# Altium PCB PCB2.PcbDoc (part 4 of 5) (continued)
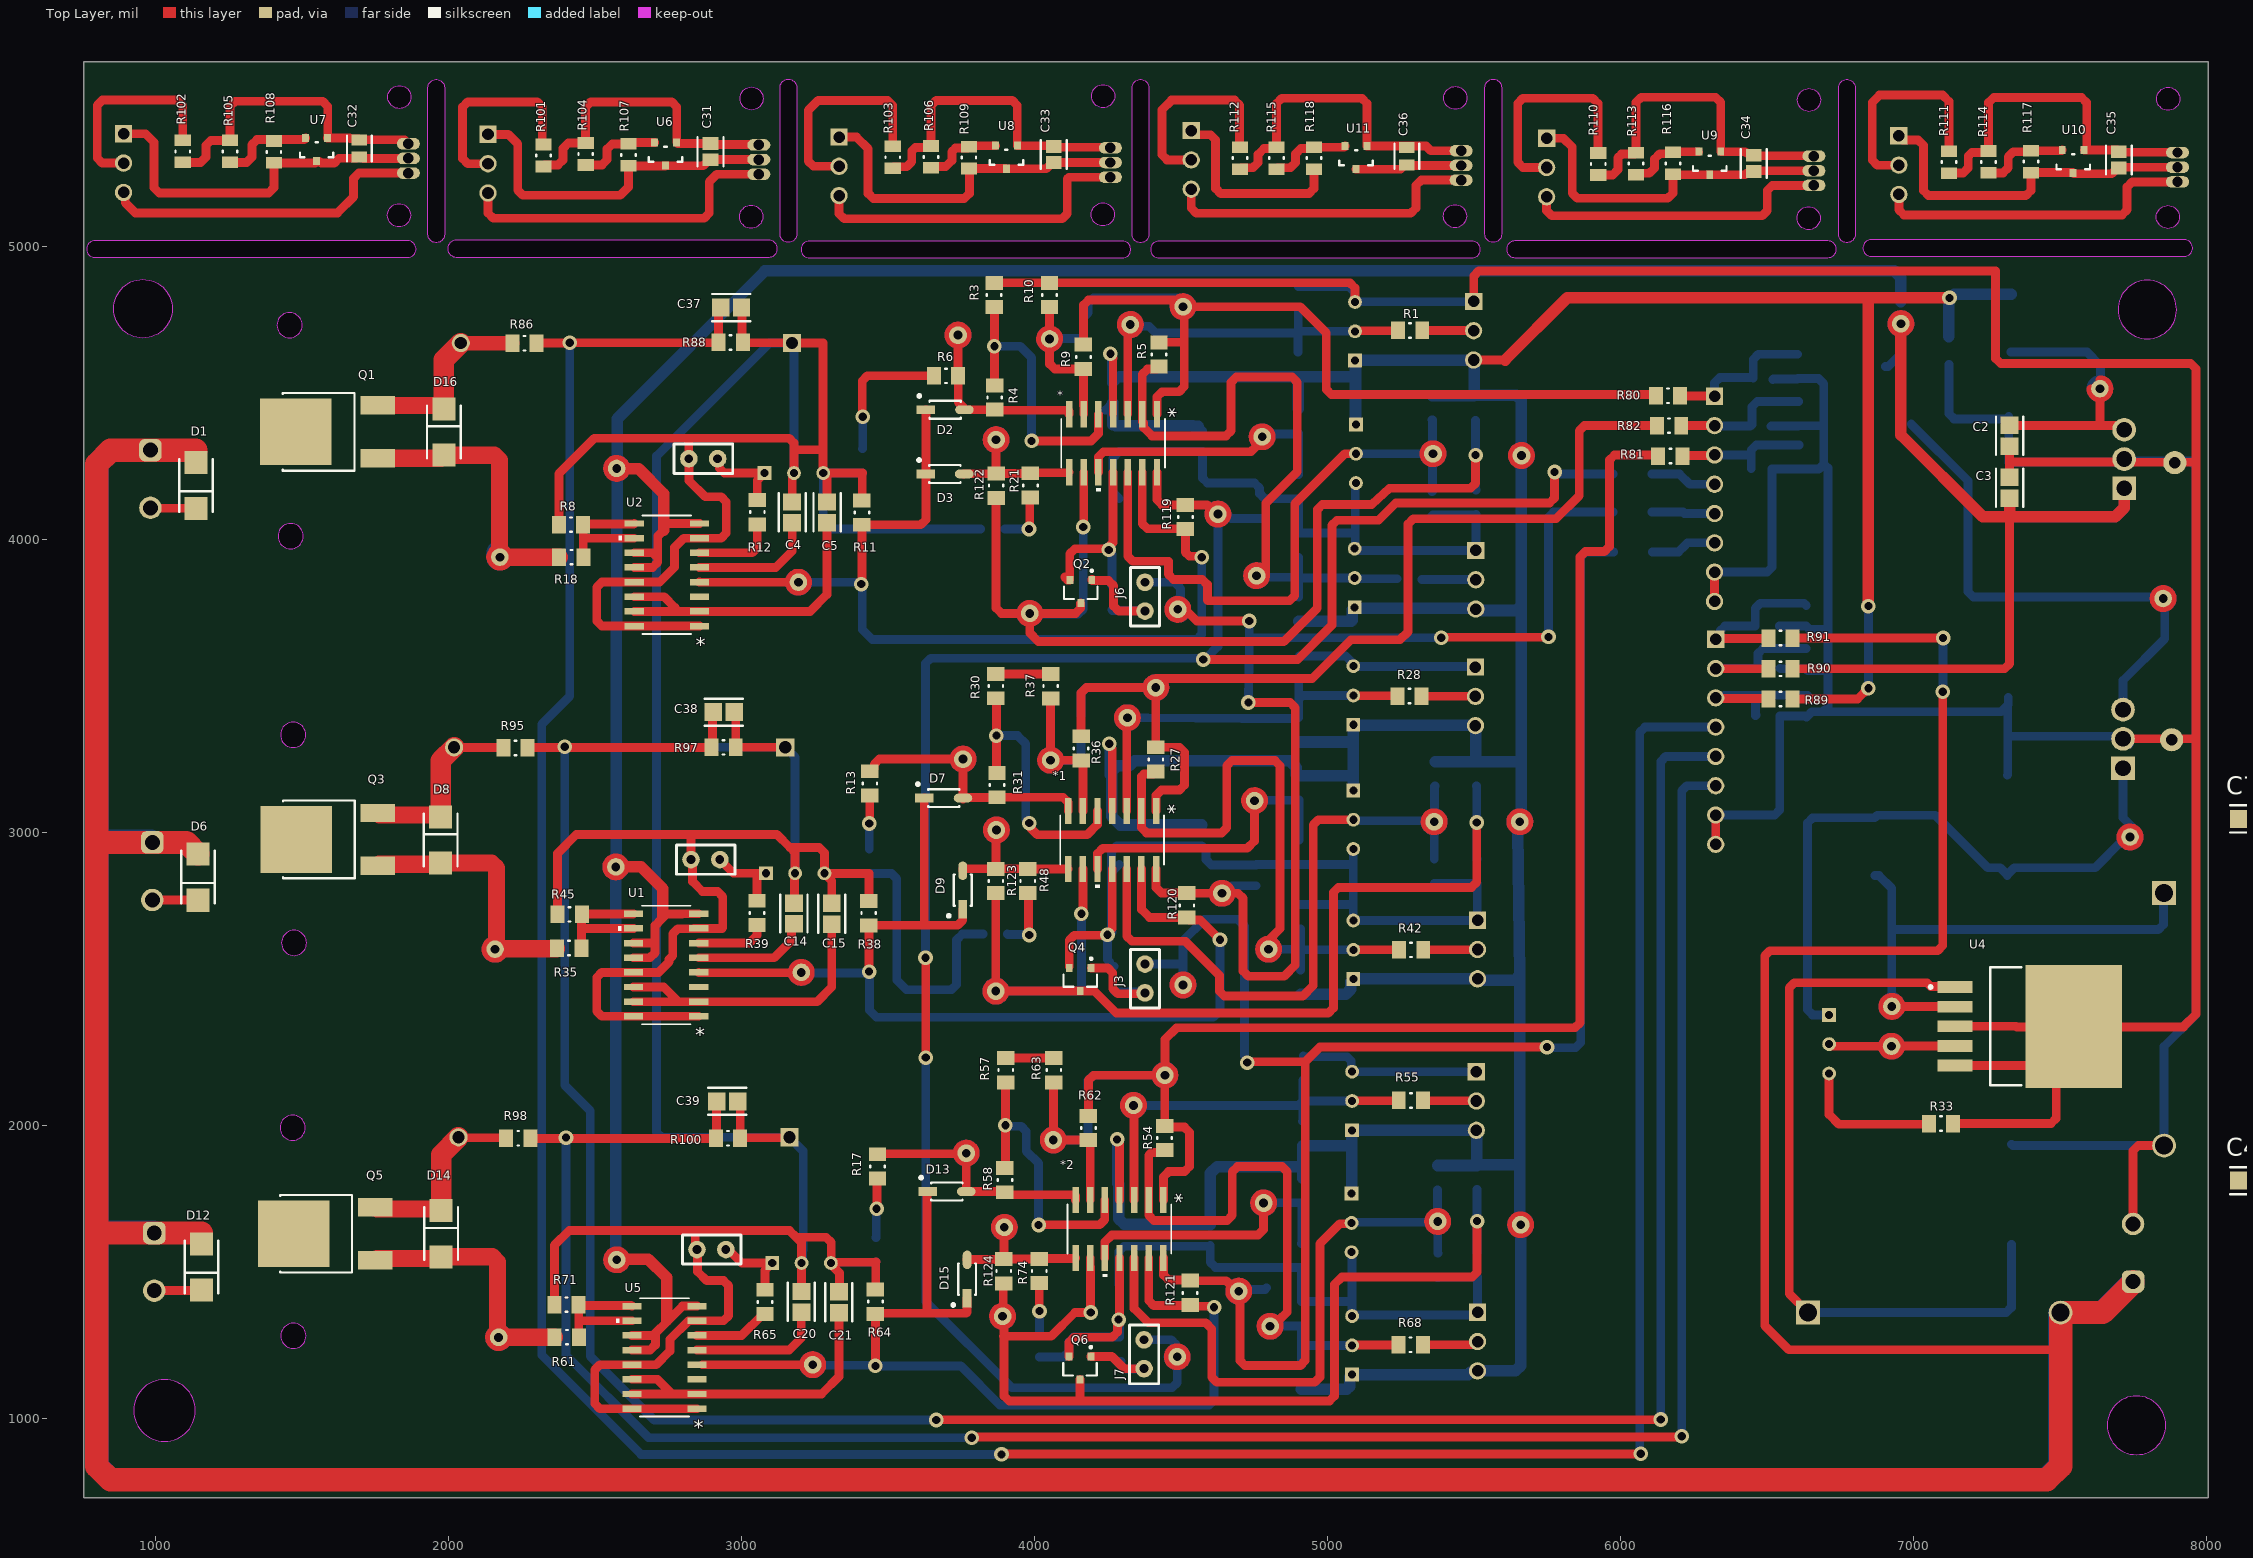
[diagram p0: Top Layer view]
## Nets (pads, with @x,y where several pads share a name; then routed paths per layer and width w, separated by ;. In a path a pad name is that pad's centre, name@x,y a point inside that pad or via, vN(x,y) a via of type N, cw(c..) or ccw(c..) an arc to the next point about the centre after c; other vN are vias at no path point) (continued)
Net*2_7: *2.7 D13.2 R17.2 R58.1 TP51.1 | length 797.7
  Top Layer w30: R17.2@3463,1900.37 3464.81,1902.19 3735.13,1902.19 3764.19,1902.19 TP51.1@3766,1904 ; 3766,1873.07 D13.2@3766,1773 3895.63,1773 R58.1@3898,1770.63 3906.75,1761.88 4134.98,1761.88 4139,1757.86 *2.7@4139,1744
Net*2_8: *2.8 D15.2 R74.2 R124.1 TP44.1 | length 482
  Top Layer w30: D15.2@3769,1539.97 3769,1541.17 3892.8,1541.17 R124.1@3894,1542.37 R124.1@3894.5,1542.87 ; v1(3896,1651) 3895,1650 3895,1620.09 3895,1543.37 R124.1@3894.5,1542.87 ; *2.8@4139,1546.06 4137.65,1544.72 4016.35,1544.72 R74.2@4015,1543.37 4014.5,1542.87 R124.1@3894.5,1542.87
Net*2_9: *2.9 Q6.3 R72.2 R75.2 R124.2 TP45.1 | length 3393.8
  Top Layer w30: TP45.1@3890,1347 TP45.1@3894.91,1342.09 ; 3892,1279 4056,1279 4137,1360 v2(4191,1360) ; 3892,1377.86 3892,1457.63 R124.2@3894,1459.63 ; 3894.91,1316.07 3894.91,1075.57 3912.48,1058 4155,1058 ; 3894.91,1316.09 3894.91,1316.47 TP45.1@3894.91,1342.09 ; 3911.87,1325.13 TP45.1@3894.91,1342.09 ; Q6.3@4154,1131.63 4154,1059 4155,1058 ; *2.9@4189,1546.06 4189,1517.38 4190,1516.38 v2@4190,1361 ; v2(5509.5,1672) 5509.5,1498.57 5491.93,1481 5048,1481 5023,1456 5023,1075.57 5005.43,1058 4155,1058
  Bottom Layer w30: v2@4187.17,1356.17 v2(4191,1360) ; R72.2@5509,1779.63 5509.5,1779.13 v2(5509.5,1672) 5509.5,1564.87 R75.2@5510,1564.37
Net*2_10: *2.10 R67.2 R76.2 TP43.1 | length 979.2
  Top Layer w30: *2.10@4239,1546.06 4239,1601 4262.31,1624.32 4761.43,1624.32 4781,1643.89 4781,1703.07 TP43.1@4781,1734
  Bottom Layer w30: TP43.1@4781,1734 4781.81,1734.81 4811.89,1734.81 R67.2@4913.19,1734.81 ; R76.2@4910,1595.37 4912,1597.37 4912,1733.63 R67.2@4913.19,1734.81 ; R67.2@4914,1735.63 R67.2@4913.19,1734.81
Net*2_12: *2.12 R77.1 R79.1 RP13.2 TP48.1 | length 2057.1
  Top Layer w30: *2.12@4339,1546.06 4339,1374 4388,1325 4583,1325 4604,1304 4604,1139.57 4621.57,1122 4955.43,1122 4973,1139.57 4973,1595 5040.7,1662.7 5077.9,1662.7 RP13.2@5081.2,1666
  Bottom Layer w30: RP13.2@5081.2,1666 5083.7,1668.5 5344.2,1668.5 ; R77.1@5374,1778.63 5374.5,1778.13 5374.5,1701.9 ; TP48.1@5375,1671 5375.5,1670.5 5375.5,1640.1 5375.5,1562.87 R79.1@5376,1562.37
Net*2_13: *2.13 D13.1 D15.1 R64.1 R121.2 TP39.1 U5.4 | length 3390.7
  Top Layer w30: U5.4@2865.25,1181.71 3211.08,1181.71 ; v2(3456,1178) R64.1@3456,1355.63 ; R64.1@3462,1357.63 3626,1357.63 ; D13.1@3632.03,1773 3632.03,1363.66 3626,1357.63 ; D15.1@3769,1408.03 3769,1361.2 3765.42,1357.63 3626,1357.63 ; *2.13@4389,1546.06 4389,1401.2 4406.57,1383.63 4530,1383.63 4531.8,1381.83 4608.17,1381.83 v2(4612,1378)
  Bottom Layer w30: 3272.64,1180 3272.84,1180 3272.9,1180 v2@3454,1180 ; v2(3456,1178) 3747,1178 3881,1044 4594.43,1044 4612,1061.57 v2(4612,1378)
  other v1: 3242,1182
Net*2_14: *2.14 *5.14 C23.2 C78.2 D21.1 D27.1 J3.1 J17.1 R121.1 R235.1 TP31.1 TP47.1 TP87.1 TP104.1 | length 5791.7
  Top Layer w30: *2.14@4439,1546.06 4439,1488.57 4456.57,1471 4530,1471 R121.1@4532.26,1468.74 ; R121.1@4530,1468.74 4652.88,1468.74 4670.45,1451.17 4670.45,1450.43 4687.88,1433 TP47.1@4696,1433 4700,1429 4700,1403.13 4700,1402.33 ; 4700,1402.07 4700,1196.57 4717.57,1179 4905.43,1179 4923,1196.57 4923,2216 ; v2(4725,2213) 4728,2216 4923,2216 ; v2(5748,2266) 4973,2266 4923,2216
  Bottom Layer w30: J3.1@4376,2549.43 4500.43,2549.43 4506,2555 ; 4506,2508.9 4506,2555 ; v2@4716,2236.14 4716,2678.52 4692.52,2702 4579.57,2702 4506,2628.43 4506,2555 ; 4726.36,1438.74 4785.2,1438.74 C23.2@4791,1444.54 ; v2(5748,2266) 5750,2264 5845.43,2264 5863,2281.57 5863,3938.43 5880.57,3956 D21.1@5976.07,3956
  other v1: 11085,3055 34480,3055
Net*3_1: *3.1 *.1 C1.1 C40.1 R5.2 R9.2 R32.2 R70.2 R80.2 R131.2 TP9.1 TP53.1 | length 3202
  Top Layer w30: R9.2@4166,4663.37 4166,4798.43 4183.57,4816 4485.33,4816 ; *.1@4417,4425.97 4417,4485.43 4434.57,4503 4492.43,4503 4510,4520.57 4510,4762.33 ; R5.2@4424,4671.37 4507.43,4671.37 ; 4506,4762.09 4506,4762.33 TP9.1@4506,4778 ; TP9.1@4506,4793 4536.93,4793 4906,4793 4995,4704 4995,4510.57 5012.57,4493 R80.2@6120.38,4493
  Bottom Layer w30: C1.1@4167,4757.46 4167.95,4757.46 4182.57,4772.08 4182.57,4805.79 4200.14,4823.36 4500.26,4823.36
  other v1: 18155,1820
Net*3_2: *3.2 *.2 R5.1 R15.2 R16.1 R20.1 R32.1 R141.2 R142.1 R147.1 RP2.2 RP16.2 TP13.1 TP63.1 | length 2330.8
  Top Layer w30: R5.1@4424,4588.63 4415.25,4579.88 4384.57,4579.88 4367,4562.3 4367,4400.3 4371.02,4396.28 4371.02,4380.93 4399.94,4352 4652.43,4352 4670,4369.57 4670,4535.43 4687.57,4553 4878.43,4553 4896,4535.43 4896,4230 4787.93,4121.93 4787.93,3880.58 4787.93,3875.69 4787.93,3875 4787.42,3875 4772,3875 TP13.1@4757,3875 ; RP2.2@5091.8,3867 RP2.2@5094.3,3864.5
  Bottom Layer w30: TP13.1@4757,3875 4787.9,3875 4793.09,3869.81 4901,3869.81 ; R16.1@4901,3802 4901,3869.81 ; R20.1@4901,3937.63 4901,3869.81 ; RP2.2@5091.8,3867 4903.81,3867 4901,3869.81 ; RP2.2@5094.3,3864.5 R15.2@5236.13,3864.5
  other v1: 65885,3055
Net*3_3: *3.3 R40.2 R44.1 R128.2 RP14.2 TP56.1
  other v1: 14735,1820
Net*3_5: *3.5 R59.1 R66.2
Net*3_6: *3.6 C40.2 R131.1 R132.1 TP54.1
  other v1: 17860,1820
Net*3_7: *3.7 R66.1 R130.2 TP55.1
  other v1: 15025,1820
Net*3_8: *3.8 R139.1 R150.2 TP65.1
  other v1: 64245,3055
Net*3_9: *3.9 R139.2 R145.2 R151.2 TP66.1
  other v1: 63165,3055
Net*3_10: *3.10 R140.2 R152.2 TP64.1
  other v1: 65315,3055
Net*3_12: *3.12 R153.1 R158.1 RP17.2 TP71.1
  other v1: 57715,3055
Net*3_13: *3.13 R137.1 R148.2 TP58.1
  other v1: 14155,1820
Net*3_14: *3.14 *.14 C9.2 C53.2 D19.1 D23.1 J7.1 J20.1 R119.1 R148.1 TP17.1 TP46.1 TP70.1 TP103.1 | length 7195.9
  Top Layer w30: v2(3627,2571) 3627.5,2570.5 3627.5,2230.5 v2(3628,2230) ; *.14@4417,4228.03 4417,4133.95 4434.57,4116.37 R119.1@4514,4116.37 4588.69,4116.37 4600.8,4104.26 ; v2(4575,3589) 4897,3589 5014,3706 5014,4046.43 5031.57,4064 5173,4064 5231.86,4122.86 5756.43,4122.86 5774,4140.43 v2(5774,4229)
  Bottom Layer w30: v2(3627,2571) 3627,3575.43 3644.57,3593 4584.43,3593 4625,3633.57 4625,4054.1 v1(4625,4085) ; v2(3628,2230) 3628,1397 3922,1103 4468.43,1103 4486,1120.57 4486,1178.1 TP46.1@4486,1209 ; J7.1@4373,1267 4465.43,1267 4480.26,1252.17 4480.26,1239.36 ; 4655.9,4085 4670.83,4070.07 C9.2@4783,4070.07 ; v2(5774,4229) 5779.41,4229 5786.41,4222 D19.1@5974.07,4222
  other v1: 11425,3055 60655,3055
Net*4_3: *4.3 R163.2 R164.1 R169.2 RP19.2 TP78.1
  other v1: 49135,3055
Net*4_5: *4.5 R165.1 R166.2
Net*4_6: *4.6 C59.2 R172.1 R173.1 TP76.1
  other v1: 51475,3055
Net*4_7: *4.7 D29.2 R166.1 R171.2 TP77.1
  other v1: 49710,3055
Net*4_8: *4.8 D31.2 R180.1 R197.2 TP85.1
  other v1: 38020,3055
Net*4_9: *4.9 R180.2 R189.2 R198.2 TP86.1
  other v1: 36940,3055
Net*4_10: *4.10 R181.2 R199.2 TP84.1
  other v1: 39740,3055
Net*4_12: *4.12 R200.1 R205.1 RP22.2 TP89.1
  other v1: 30350,3055
Net*4_13: *4.13 D29.1 D31.1 R178.1 R195.2 TP80.1
  other v1: 48555,3055
Net*5_3: *5.3 R213.2 R214.1 R218.2 RP23.2 TP94.1
  other v1: 21970,3055
Net*5_5: *5.5 R215.1 R216.2
Net*5_6: *5.6 C72.2 R221.1 R222.1 TP92.1
  other v1: 24320,3055
Net*5_7: *5.7 D33.2 R216.1 R220.2 TP93.1
  other v1: 22260,3055
Net*5_8: *5.8 D35.2 R226.1 R237.2 TP101.1
  other v1: 14285,3055
Net*5_9: *5.9 R226.2 R232.2 R238.2 TP102.1
  other v1: 13155,3055
Net*5_10: *5.10 R227.2 R239.2 TP100.1
  other v1: 15405,3055
Net*5_12: *5.12 R240.1 R242.1 RP26.2 TP105.1
  other v1: 8855,3055
Net*5_13: *5.13 D33.1 D35.1 R224.1 R235.2 TP96.1
  other v1: 21390,3055
Net*_3: *.3 R1.2 R2.1 R7.2 RP1.2 TP10.1 | length 1396.5
  Top Layer w30: TP10.1@4313,4741.07 4323,4731.07 4323,4701.33 ; *.3@4317,4425.97 4317,4692.07 4326,4701.07 ; RP1.2@5093,4709 5094.5,4710.5 5238.13,4710.5 R1.2@5239.63,4712
  Bottom Layer w30: TP10.1@4326,4732 4331.74,4726.26 4356.36,4726.26 4356.9,4726.26 4389.64,4726.26 4412.9,4703 4899,4703 R7.2@4899,4778.26 ; R2.1@4898,4637.37 4898.5,4637.87 4898.5,4707.81 4899.69,4709 RP1.2@5093,4709
Net*_5: *.5 R3.1 R4.2 | length 1000.1
  Top Layer w30: R3.1@3861,4791.63 3862,4790.63 v2(3862,4658) 3862,4525.37 R4.2@3863,4524.37 ; v2(3989,4335) 4193,4335 4217,4359 *.5@4217,4425.97
  Bottom Layer w30: v2(3862,4658) 3950,4658 3989,4619 v2(3989,4335)
Net*_6: *.6 C1.2 R9.1 R10.1 TP8.1 | length 931
  Top Layer w30: R10.1@4050,4791.63 R10.1@4050.31,4791.31 ; TP8.1@4050.63,4689.95 R10.1@4050.31,4791.31 ; R9.1@4166,4580.63 R9.1@4166.5,4580.13 ; *.6@4167,4425.97 4167,4455.15 4166.5,4455.65 R9.1@4166.5,4580.13 ; TP8.1@4050.31,4690.01 4050.31,4683.31 TP8.1@4050.63,4682.99 4050.63,4652.07 ; TP8.1@4050.31,4690.01 R10.1@4050.31,4791.31 ; TP8.1@4050.31,4690.01 R10.1@4050.31,4791.31 ; 4050.63,4597.7 4050.63,4652.07 ; 4050.63,4597.7 4050.63,4652.07 ; 4050.63,4597.7 4068.2,4580.13 4166,4580.13 R9.1@4166.5,4580.13
  Bottom Layer w30: TP8.1@4050.63,4682.99 4052.4,4684.76 4081.48,4684.76 ; C1.2@4167,4686.54 C1.2@4165.23,4684.76 ; 4081.48,4684.76 C1.2@4165.23,4684.76 ; 4081.48,4684.76 C1.2@4165.23,4684.76
Net*_7: *.7 D2.2 R4.1 R6.2 TP49.1 | length 616.8
  Top Layer w30: 3738.19,4665.07 3738.19,4557.19 R6.2@3738.37,4557 3738.37,4467.1 3758.68,4446.79 D2.2@3758.68,4441.31 ; D2.2@3758.37,4441 D2.2@3758.68,4441.31 ; 3766.03,4682.94 3767.48,4689.47 3768.93,4696 ; *.7@4117,4425.97 4117,4435.83 4112.98,4439.85 3864.78,4439.85 R4.1@3863,4441.63 3862.69,4441.31 D2.2@3758.68,4441.31
Net*_8: *.8 D3.2 R21.2 R122.1 TP15.1 | length 462.9
  Top Layer w30: D3.2@3757.37,4222 3758.06,4222.69 3867.31,4222.69 R122.1@3868,4223.37 ; 3868,4308.07 3868,4224.37 R122.1@3868,4223.37 ; 3894.73,4323.45 3896.83,4331.22 3898.93,4339 ; *.8@4117,4228.03 4115.17,4226.2 3986.83,4226.2 R21.2@3985,4224.37 3984.5,4223.87 3868.5,4223.87 R122.1@3868,4223.37
  other v1: 3868,4339
Net*_9: *.9 Q2.3 R19.2 R22.2 R122.2 TP3.1 | length 3812.6
  Top Layer w30: R122.2@3868,4140.63 3868,3764.57 3886.57,3746 3952.07,3746 ; TP3.1@3957.58,3734.17 TP3.1@3983,3746 3994.84,3717.43 ; 3963.09,3722.33 TP3.1@3980.02,3718.35 ; TP3.1@3983,3731 3983,3717.43 3983,3715.07 3983,3679.57 4012.57,3650 4850,3650 4964,3764 4964,4100.43 4981.57,4118 5138.02,4118 5150.29,4118 5210,4173 5486.93,4173 5504.5,4190.57 v2(5504.5,4286.5) ; 4013.93,3746 4138.43,3746 4156,3763.57 4156,3780.63 Q2.3@4157,3781.63 ; v2(4165,4041) 4167,4043 *.9@4167,4228.03
  Bottom Layer w30: 4013.76,3743 4147.43,3743 ; 4013.9,3746 4147.43,3743 ; v2(4165,4041) 4165,3760.57 4147.43,3743 ; R19.2@5503,4405.63 5504.5,4404.13 v2(5504.5,4286.5) 5504.5,4168.87 R22.2@5506,4167.37
Net*_10: *.10 R14.2 R23.2 TP14.1 | length 888.8
  Top Layer w30: *.10@4217,4228.03 4217,4280.14 4234.57,4297.72 4737.56,4297.72 4755.13,4315.29 TP14.1@4755.13,4335.13
  Bottom Layer w30: TP14.1@4777,4357 4778.81,4358.81 4807.85,4358.81 4897.19,4358.81 R14.2@4899,4360.63 4899.5,4360.13 4899.5,4290.5 4899.5,4220.87 R23.2@4900,4220.37
Net*_12: *.12 R24.1 R26.1 RP4.2 TP6.1 | length 2257.7
  Top Layer w30: *.12@4317,4228.03 4317,3941.57 4334.57,3924 4456,3924 4456,3879.57 4473.57,3862 4571.43,3862 4589,3844.43 4589,3791 4591,3789 4869.43,3789 4887,3806.57 4887,4120 5058,4291 RP4.2@5096,4291
  Bottom Layer w30: 5328.1,4291.5 RP4.2@5096,4291 5328.1,4291 5329.64,4284.26 5331.19,4277.53 ; R26.1@5356,4161.37 5357.5,4162.87 5357.5,4260.13 ; R24.1@5356,4407.26 5357.5,4405.76 5357.5,4321.87 ; 5385.34,4307.16 5387.62,4299.08 5389.9,4291
Net*_13: *.13 D2.1 D3.1 R11.1 R119.2 TP12.1 U2.4 | length 3752.3
  Top Layer w30: U2.4@2855.25,3853 U2.4@2855.75,3852.5 ; 3162.37,3853 U2.4@2855.75,3852.5 ; TP12.1@3202.29,3852.5 3193.86,3852.5 TP12.1@3193.29,3852.5 3162.36,3852.5 U2.4@2855.75,3852.5 ; v2@3410.5,3856.5 3410.5,4048.13 R11.1@3410,4048.63 3611.06,4048.63 3628.63,4066.2 3628.63,4222 3629.13,4222.5 3629.13,4440.5 D2.1@3629.63,4441 ; *.13@4367,4228.03 4367,4052.57 4384.57,4035 4512.63,4035 R119.2@4514,4033.63 4514,3955.16 4527.75,3941.41 4566.17,3941.41 v2(4570,3937.59) v2@4570,3943
  Bottom Layer w30: TP12.1@3193.29,3852.5 3224.19,3852.5 3407.5,3852.5 3411,3856 3411,3691 3445,3657 4552.43,3657 4570,3674.57 v2(4570,3937.59)
  other v2: 3408,3846
NetC2_1: C2.1 L1.1 RG1.3 TP1.1 | length 939.6
  Top Layer w30: C2.1@7327,4388 7328,4387 7637,4387 ; TP1.1@7635,4513 7635,4482.07 7635,4389 7637,4387 ; RG1.3@7718,4373 7704,4387 7637,4387
  Bottom Layer w30: L1.1@7332,4638.57 7590.85,4638.57 7637.31,4592.12 7637.31,4543.84 7665.9,4515.25 7665.9,4513
NetC4_2: C4.2 U2.5 | length 436.5
  Top Layer w30: U2.5@2855.25,3903 3116,3903 3172,3959 C4.2@3172,4055.54
NetC5_1: C5.1 C48.1 C64.1 C75.1 U2.2 U2.14 U2.15 | length 1094.4
  Top Layer w30: U2.15@2632.75,3753 2772,3753 ; U2.14@2632.75,3803 2735,3803 2772,3766 2772,3753 ; C5.1@3291,4055.54 3291,3811 3233,3753 U2.2@2855.25,3753 2772,3753
NetC7_1: C7.1 L2.1 TP5.1 U3.3 | length 1778.9
  Bottom Layer w30: L2.1@6991.58,4392.15 7185,4198.73 7185,3819.83 7202.57,3802.26 C7.1@7322,3802.26 7820.55,3802.26 ; U3.3@7714,3418 7714,3517 7856.74,3659.74 7856.74,3766.64 7856.74,3779.26 7843.51,3792.49 TP5.1@7833.74,3802.26 ; TP5.1@7851.36,3800.34 7881.9,3797
NetC11_1: C11.1 L3.2 RP5.1 RP18.1 TP4.1 TP67.1 U3.1 | length 2213.9
  Bottom Layer w30: RP5.1@6711,2376 6654.57,2376 6637,2393.57 6637,3030.85 6654.57,3048.43 L3.2@6867,3048.43 6875.57,3057 7073,3057 7252.2,2877.8 7294.63,2877.8 7319,2853.43 C11.1@7319,2851.48 7319,2853.63 7343.37,2878 7619,2878 7710.3,2969.3 ; 7707.1,2983 TP4.1@7729.4,2996.85 ; U3.1@7714,3218.2 7714,3048.4 7751.7,3010.7 TP4.1@7733.62,2992.62
  other v1: 62305,3055
NetC12_1: C12.1 CR2.1 U4.1 | length 2629.7
  Top Layer w30: CR2.1@6639,1360 6575,1424 6575,2468.35 6592.57,2485.93 7045.07,2485.93 7058.5,2472.5 7139.2,2472.5 U4.1@7140.69,2471.02
  Bottom Layer w30: CR2.1@6639,1360 7315.43,1360 7333,1377.57 C12.1@7333,1592
NetC14_2: C14.2 U1.5 | length 400.7
  Top Layer w30: U1.5@2853.25,2571 3110.5,2571 3170.07,2630.57 3170.07,2678.61 C14.2@3178,2686.54
NetC15_1: C15.1 U1.2 U1.14 U1.15 | length 1084.5
  Top Layer w30: U1.15@2630.75,2421 2783,2421 ; U1.14@2630.75,2471 2733,2471 2783,2421 ; C15.1@3307,2685.54 3307,2471 3257,2421 U1.2@2853.25,2421 2783,2421
NetC20_2: C20.2 U5.5 | length 460.6
  Top Layer w30: U5.5@2847.5,1232 3162,1232 3203,1273 C20.2@3203,1361.07
NetC21_1: C21.1 U5.2 U5.14 U5.15 | length 1107.5
  Top Layer w30: U5.15@2625,1082 2762,1082 ; U5.14@2625,1132 2712,1132 2762,1082 ; C21.1@3331,1359.54 3332,1358.54 3332,1142 3272,1082 U5.2@2847.5,1082 2762,1082
NetC25_2: C25.2 C41.2 P7.1 R70.1 R80.1 R83.1 R133.1 | length 528.8
  Top Layer w30: R80.1@6202.37,4489 6203.37,4488 6319,4488 P7.1@6320,4487
  Bottom Layer w30: P7.1@6320,4487 6320,4533.43 6337.57,4551 6449.46,4551 6452,4548.46 6452,4612.8 6469.57,4630.37 R83.1@6604,4630.37
NetC26_2: C26.2 C42.2 P7.2 R82.1 R84.1 R126.1 R134.1 | length 474.6
  Top Layer w30: R82.1@6206.37,4387 P7.2@6320,4387 P7.2@6317.5,4384.5
  Bottom Layer w30: P7.2@6320,4387 6321,4386 6441.07,4386 C26.2@6442.07,4385 6448,4390.93 6448,4451.8 6465.57,4469.37 R84.1@6606,4469.37
NetC27_2: C27.2 C43.2 P7.3 R81.1 R85.1 R125.1 R135.1 | length 511.2
  Top Layer w30: R81.1@6210.37,4283 6212.37,4285 6318,4285 P7.3@6320,4287
  Bottom Layer w30: P7.3@6320,4287 6435,4287 6445.54,4276.46 C27.2@6445.54,4240 6445.54,4262.46 6445.54,4287 6445.54,4303.8 6463.11,4321.37 R85.1@6608,4321.37
NetC28_2: C28.2 C55.2 P8.3 R89.1 R92.1 R155.1 R159.1 | length 571.4
  Top Layer w30: P8.3@6323.81,3458 6325.81,3456 6501.63,3456 R89.1@6503.63,3454
  Bottom Layer w30: P8.3@6323.81,3458 6329.37,3463.56 6349.92,3463.56 6352.82,3466.46 6462,3466.46 ; R92.1@6461.63,3399 R92.1@6459.63,3397 6459.63,3464.09 6462,3466.46 ; C28.2@6637,3466.46 6462,3466.46
NetC29_2: C29.2 C56.2 P8.2 R90.1 R93.1 R156.1 R160.1 | length 544.2
  Top Layer w30: P8.2@6324.81,3559 P8.2@6323.81,3558 6324.31,3557.5 6503.13,3557.5 R90.1@6503.63,3557
  Bottom Layer w30: P8.2@6323.81,3558 6324.31,3558.5 6460.13,3558.5 R93.1@6460.63,3559 6467.82,3566.19 6467.82,3608.89 6485.39,3626.46 C29.2@6633,3626.46
NetC30_2: C30.2 C57.2 P8.1 R91.1 R94.1 R157.1 R161.1 | length 587.9
  Top Layer w30: P8.1@6323.81,3658 6325.81,3660 6501.63,3660 R91.1@6503.63,3662
  Bottom Layer w30: P8.1@6323.81,3658 6338,3672.19 6338,3685.43 6355.57,3703 R94.1@6458.63,3703 6458.63,3763.43 6476.2,3781 6625.46,3781 C30.2@6633,3773.46
NetC31_2: C31.2 HS1.1 R101.1 R104.1 U6.1 | length 1053.2
  Top Layer w30: R101.1@2323,5271.56 2327.81,5276.38 2372.43,5276.38 2390,5293.95 2390,5333.86 2407.57,5351.44 R104.1@2467,5351.44 2467,5474.43 2484.57,5492 2760.43,5492 2778,5474.43 2778,5354 2782.41,5349.59 C31.2@2893,5349.59 2895.8,5346.79 3056.21,5346.79 HS1.1@3058,5345
NetC32_2: C32.2 HS2.1 R102.1 R105.1 U7.1 | length 1071.8
  Top Layer w30: R102.1@1092,5285.56 1153.43,5285.56 1171,5303.14 1171,5342.86 1188.57,5360.44 R105.1@1253,5360.44 1253,5476.43 1270.57,5494 1569.43,5494 1587,5476.43 1587,5368.97 U7.1@1586.4,5368.37 1661.63,5368.37 1663.77,5366.23 1691.3,5366.23 C32.2@1695,5362.53 1848.47,5362.53 HS2.1@1862,5349
NetC33_2: C33.2 HS3.1 R103.1 R106.1 U8.1 | length 1088.1
  Top Layer w30: R103.1@3515,5265.56 3519.81,5270.38 3562.43,5270.38 3580,5287.95 3580,5323.86 3592.76,5336.62 3641.19,5336.62 R106.1@3646,5341.44 3646,5479.43 3663.57,5497 3922.83,5497 3940.4,5479.43 U8.1@3940.4,5342.37 4057.68,5342.37 4060.05,5340 C33.2@4065,5340 4068.21,5336.79 4256.21,5336.79 HS3.1@4258,5335
NetC34_2: C34.2 HS4.1 R110.1 R113.1 U9.1 | length 1152.5
  Top Layer w30: R110.1@5923,5242.56 5972.43,5242.56 5990,5260.14 5990,5300.86 6002.76,5313.62 6047.19,5313.62 R113.1@6052,5318.44 6052,5490.43 6069.57,5508 6323.43,5508 6341,5490.43 U9.1@6341,5322 6424.73,5322 6430.39,5316.33 6447.26,5316.33 C34.2@6454,5309.59 6455.29,5308.29 6657.71,5308.29 HS4.1@6659,5307
NetC35_2: C35.2 HS5.1 R111.1 R114.1 U10.1 | length 1192.1
  Top Layer w30: R111.1@7120,5249 7168.43,5249 7186,5266.57 7186,5306.86 7198.76,5319.62 7250.19,5319.62 R114.1@7255,5324.44 7255,5489.43 7272.57,5507 7572.43,5507 7590,5489.43 7590,5335.97 U10.1@7581.4,5327.37 7694.22,5327.37 C35.2@7700,5321.59 7701.29,5320.29 7898.71,5320.29 HS5.1@7900,5319
NetC36_2: C36.2 HS6.1 R112.1 R115.1 U11.1 | length 1117.7
  Top Layer w30: R112.1@4700,5262.56 4704.81,5267.38 4744.43,5267.38 4762,5284.95 4762,5312.43 4782.2,5332.62 4820.19,5332.62 R115.1@4825,5337.44 4825,5486.43 4842.57,5504 5116.43,5504 5134,5486.43 U11.1@5134,5341 5335.82,5341 5351.82,5325 HS6.1@5455,5325
NetC37_2: C37.2 C49.2 C65.2 C76.2 P8.4 R86.1 R88.1 R144.1 R149.1 R188.1 R196.1 R231.1 R236.1 | length 10857.2
  Top Layer w30: R86.1@2301.24,4669.5 v2@2413,4669.5 ; v2(2413,4670) R88.1@2919.63,4670 ; R88.1@2920.63,4671 2920.63,4782.63 C37.2@2928,4790 ; v2(3886.58,876) 3888.08,877.5 6067.5,877.5 v2(6068,878)
  Bottom Layer w30: v2(2413,4670) 2413,3464 2317,3368 2317,1215 2656,876 v2(3886.58,876) ; v2(6068,878) 6065,881 6065,3340.43 6082.57,3358 P8.4@6323.81,3358
NetC38_2: C38.2 P8.5 R95.1 R97.1 | length 9052.1
  Top Layer w30: R95.1@2268.74,3287 2269.74,3288 2895.63,3288 R97.1@2896.63,3289 2899.85,3292.22 2899.85,3405.78 C38.2@2903.07,3409 ; v2(3663.59,993) 3664.59,994 6135,994 v2(6136,995)
  Bottom Layer w30: v2(2396,3291) 2396,2136 2483,2049 2483,1211 2701,993 v2(3663.59,993) ; v2(6136,995) 6136,3240.43 6153.57,3258 P8.5@6323.81,3258
NetC39_2: C39.2 P8.6 R98.1 R100.1 | length 7753.9
  Top Layer w30: R98.1@2278.37,1955 2279.37,1954 2451,1954 ; 2453,1954 2910.63,1954 R100.1@2911.63,1955 2913.35,1956.72 2913.35,2079.28 C39.2@2915.07,2081 ; v2(3784.49,933) 3786.99,935.5 6205.5,935.5 v2(6208,938)
  Bottom Layer w30: v2(2400,1957) 2400,1215 2682,933 v2(3784.49,933) ; v2(6208,938) 6208,3140.43 6225.57,3158 P8.6@6323.81,3158
NetC44_1: C44.1 TP59.1
  other v1: 13865,1820
NetC47_2: C47.2
NetC50_1: TP68.1
  other v1: 62595,3055
NetC58_1: CR3.1
NetC60_2: C60.2
NetC61_2: C61.2 HS7.1 R174.1 R182.1 U16.1
NetC62_2: C62.2 HS8.1 R175.1 R183.1 U17.1
NetC63_2: C63.2 HS9.1 R176.1 R184.1 U18.1
NetC69_2: C69.2 HS10.1 R202.1 R206.1 U19.1
NetC70_2: C70.2 HS11.1 R203.1 R207.1 U20.1
NetC71_2: C71.2 HS12.1 R204.1 R208.1 U21.1
NetC73_1: 
NetC74_2: C74.2
NetCR1_1: CR1.1 L3.1 TP18.1 U4.2 | length 1759.5
  Top Layer w30: TP18.1@6925,2405 6925.5,2404.5 6955.92,2404.5 7140.19,2404.5 U4.2@7140.69,2404.01
  Bottom Layer w30: L3.1@6867,2851.57 6880.94,2851.57 6925,2807.52 6925,2667 ; TP18.1@6925,2405 TP18.1@6925,2432.02 ; 6925,2435.9 6925,2446.46 ; 6944.37,2429.08 6938.89,2433.99 6925,2446.46 ; CR1.1@7854,2792 7852,2790 7852,2684.57 7834.43,2667 6925,2667 ; 6925,2446.46 6925,2667
NetCR4_1: CR4.1 TP72.1
  other v1: 54885,3055
NetD1_1: D1.1 J4.2 Q1.4 | length 152.9
  Top Layer w30: J4.2@984.69,4105.58 985.35,4104.92 1136.34,4104.92 D1.1@1137,4104.26
NetD4_1: D4.1 R6.1 | length 484.2
  Top Layer w30: v2(3413,4417) 3411,4419 3411,4539.43 3428.57,4557 R6.1@3655.63,4557
  Bottom Layer w30: D4.1@3412,4308.34 3412.5,4308.84 3412.5,4416.5 v2(3413,4417)
NetD5_1: D5.1 R21.1 | length 192.4
  Top Layer w30: v2(3980,4034) 3982.5,4036.5 3982.5,4139.13 R21.1@3985,4141.63
  Bottom Layer w30: D5.1@3897.34,4034 v2(3980,4034)
NetD6_1: D6.1 J2.2 Q3.4 | length 156.3
  Top Layer w30: J2.2@988,2768 988.37,2767.63 1143.63,2767.63 D6.1@1144,2767.26
NetD8_1: D8.1 Q3.3 R95.2 R96.2 | length 651.3
  Top Layer w30: Q3.3@1758.13,3064.96 Q3.3@1764.74,3058.35 ; D8.1@1965.39,3058.35 1970.86,3050.9 D8.1@1973,3048 ; R96.2@2018,3289 2019,3288 2185,3288 R95.2@2186,3287
  Top Layer w59.06: Q3.3@1764.74,3058.35 D8.1@1965.39,3058.35
  Top Layer w70: D8.1@1973,3048 1973,3051.74 1973,3244 R96.2@2018,3289
NetD8_2: D8.2 Q3.1 R35.1 TP25.1 | length 1173.2
  Top Layer w30: Q3.1@1758.13,2885.04 Q3.1@1762.74,2889.65 ; D8.2@1967.39,2889.65 D8.2@1972,2894.26 ; 2129.2,2611.26 2141.6,2620.96 2154,2630.67 ; TP25.1@2158,2600 2154,2604 2127.33,2604 2140.67,2617.33 2154,2630.67 ; 2188.86,2602 2179.91,2615.04 2170.95,2628.08 2163,2639.67 2154,2630.67 ; 2188.93,2600 2367.63,2602 R35.1@2369.63,2604
  Top Layer w59.06: Q3.1@1762.74,2889.65 D8.2@1967.39,2889.65 ; D8.2@1972,2894.26 2145.43,2894.26 2163,2876.69 2163,2639.67 ; 2188.86,2602 R35.1@2367.63,2602
NetD10_1: D10.1 R13.1 | length 185.5
  Top Layer w30: v2(3435,3029) 3437,3031 R13.1@3437,3124.63 R13.1@3436,3123.63
  Bottom Layer w30: D10.1@3435,2941.34 v2(3435,3029)
NetD11_1: D11.1 R48.1 | length 221.6
  Top Layer w30: R48.1@3976,2791.63 3978.62,2789 3978.62,2651.38 v2(3981.25,2648.75)
  Bottom Layer w30: D11.1@3906,2652 3907.62,2650.38 3979.62,2650.38 v2(3981.25,2648.75)
NetD12_1: D12.1 J5.2 Q5.4 | length 162
  Top Layer w30: J5.2@994.69,1434.58 995.52,1435.42 1155.16,1435.42 D12.1@1156,1436.26
NetD14_1: D14.1 Q5.3 R98.2 R99.2 | length 668.1
  Top Layer w30: Q5.3@1749.13,1718.96 Q5.3@1754.74,1713.35 ; D14.1@1968.39,1713.35 D14.1@1974,1707.74 D14.1@1974,1741.81 ; R99.2@2033,1958 2034.5,1956.5 2194.13,1956.5 R98.2@2195.63,1955
  Top Layer w59.06: Q5.3@1754.74,1713.35 D14.1@1968.39,1713.35
  Top Layer w70: D14.1@1974,1741.81 1974,1899 R99.2@2033,1958
NetD14_2: D14.2 Q5.1 R61.1 TP40.1 | length 1022.1
  Top Layer w30: Q5.1@1749.13,1539.04 Q5.1@1754.74,1544.65 ; D14.2@1968.39,1544.65 D14.2@1974,1550.26 ; 2139.23,1278.13 2153.05,1291.95 2166,1304.9 2166,1305.67 ; 2199.94,1282.76 2200.43,1279.13 2200.92,1275.5 ; 2200.93,1275 2360.76,1275.5 R61.1@2361.26,1276
  Top Layer w59.06: Q5.1@1754.74,1544.65 D14.2@1968.39,1544.65 ; D14.2@1974,1550.26 2148.43,1550.26 2166,1532.69 2166,1305.67 ; 2200.92,1275.5 R61.1@2360.76,1275.5
NetD16_1: D16.1 Q1.3 R86.2 R87.2 | length 663.9
  Top Layer w30: R87.2@2039.94,4668 R87.2@2041,4669
  Top Layer w50: R87.2@2039.94,4668 2040,4668 R86.2@2217,4668
  Top Layer w59.06: Q1.3@1752,4455.96 Q1.3@1757.29,4455.96 1970.78,4455.96 D16.1@1983,4443.74
  Top Layer w70: D16.1@1983,4443.74 1983,4611 2040,4668 R87.2@2041,4669
NetD16_2: D16.2 Q1.1 R8.1 TP11.1 | length 1193.4
  Top Layer w30: 2142.07,3938 TP11.1@2173,3938 ; 2142.12,3939.63 TP11.1@2173,3938 ; 2151.13,3959.87 2173,3981.74 2173,3968.93 ; TP11.1@2201.07,3936.56 TP11.1@2201.07,3937.99 ; TP11.1@2201.25,3938 TP11.1@2201.07,3938 ; 2204.53,3936.56 R8.1@2376.63,3938 ; TP11.1@2173,3938 TP11.1@2201.07,3938
  Top Layer w59.06: Q1.1@1757.29,4276.04 1972.78,4276.04 D16.2@1983,4286.26 2155.43,4286.26 2173,4268.69 2173,3981.74 ; 2204.75,3938 R8.1@2376.63,3938
NetD17_1: D17.1 R17.1 | length 206.7
  Top Layer w30: v2(3460,1714) v2@3461.5,1715.5 ; R17.1@3463,1817.63 3461.5,1816.13 v2@3461.5,1715.5 ; v2@3463.83,1717.83 v2@3461.5,1715.5
  Bottom Layer w30: D17.1@3458,1616.34 3459,1617.34 3459,1713 v2(3460,1714)
NetD18_1: D18.1 R74.1 | length 171.1
  Top Layer w30: R74.1@4015,1460.63 4015.5,1460.13 4015.5,1365.5 v2(4016,1365)
  Bottom Layer w30: v2@4015,1366 v2(4016,1365) D18.1@4016,1291.34
NetD19_2: D19.2 D23.2 P7.4 | length 235.6
  Top Layer w30: P7.4@6315,4182 P7.4@6320,4187
  Bottom Layer w30: D19.2@6106,4222 6200,4222 6235,4187 P7.4@6320,4187
NetD20_2: D20.2 D25.2 P7.5 | length 218.9
  Top Layer w30: P7.5@6318,4085 P7.5@6320,4087
  Bottom Layer w30: D20.2@6106,4092 6212.11,4092 6217.11,4087 P7.5@6320,4087
NetD21_2: D21.2 D27.2 P7.6 | length 225.1
  Bottom Layer w30: D21.2@6108,3956 6197,3956 6218,3977 6218,3977.43 6227.57,3987 P7.6@6320,3987
NetD24_1: D24.1 R130.1
NetD28_1: D28.1 R150.1
NetD30_1: D30.1 R171.1
NetD32_1: D32.1 R197.1
NetD34_1: D34.1 R220.1
NetD36_1: D36.1 R237.1
NetHS1_3: HS1.3 P9.3 | length 1124.8
  Top Layer w30: P9.3@2133.81,5181 2133.81,5112.57 2151.39,5095 2871.43,5095 2889,5112.57 2889,5219.7 2914.3,5245 HS1.3@3058,5245
NetHS2_3: HS2.3 P10.3 | length 1112.1
  Top Layer w30: P10.3@890,5183 895.56,5177.44 895.56,5147.44 930,5113 1620,5113 1675,5168 1675,5231.43 1692.57,5249 HS2.3@1862,5249
NetHS3_3: HS3.3 P11.3 | length 1123.2
  Top Layer w30: P11.3@3331.81,5172 3331.81,5110.57 3349.39,5093 4093.43,5093 4111,5110.57 4111,5229.12 4116.88,5235 HS3.3@4258,5235
NetHS4_3: HS4.3 P12.3 | length 1050.3
  Top Layer w30: P12.3@5746.81,5168 5746.81,5120.57 5764.39,5103 6482.43,5103 6500,5120.57 6500,5189.43 6517.57,5207 HS4.3@6659,5207
NetHS5_3: HS5.3 P13.3 | length 1103.1
  Top Layer w30: P13.3@6949,5176 6949,5123.57 6966.57,5106 7710.43,5106 7728,5123.57 7728,5201.43 7745.57,5219 HS5.3@7900,5219
NetHS6_3: HS6.3 P14.3 | length 1085.3
  Top Layer w30: P14.3@4533.81,5194 4533.81,5129.57 4551.39,5112 5283.43,5112 5301,5129.57 5301,5207.43 5318.57,5225 HS6.3@5455,5225
NetHS7_3: HS7.3
NetHS8_3: HS8.3
NetHS9_3: HS9.3
NetHS10_3: HS10.3
NetHS11_3: HS11.3
NetHS12_3: HS12.3
NetJ3_2: J3.2 Q4.1 R52.2 | length 361.9
  Top Layer w30: Q4.1@4192.4,2536.37 4248.43,2536.37 4266,2518.8 4266,2465.57 4283.57,2448 4373,2448 J3.2@4376,2451
  Bottom Layer w30: R52.2@4270,2459 4274,2455 4372,2455 J3.2@4376,2451
NetJ6_2: J6.2 Q2.1 R25.2 | length 390.5
  Top Layer w30: Q2.1@4195.46,3861.43 Q2.1@4194.4,3860.37 4196.77,3858 4251.43,3858 4269,3840.43 4269,3771.57 4286.57,3754 J6.2@4376,3754
  Bottom Layer w30: R25.2@4263,3758.63 4265.31,3756.31 4373.69,3756.31 J6.2@4376,3754 J6.2@4367.88,3754
NetJ7_2: J7.2 Q6.1 R78.2 | length 322.7
  Top Layer w30: Q6.1@4191.4,1210.37 4262.63,1210.37 4305,1168 4372.43,1168 J7.2@4373,1168.57 J7.2@4367.26,1174.31
  Bottom Layer w30: R78.2@4289,1193.63 4294.94,1193.63 4287.44,1186.13 4306.57,1167 4371.43,1167 J7.2@4373,1168.57 J7.2@4369.97,1171.6 ; J7.2@4379,1165.57 J7.2@4379.19,1165.39
NetJ8_2: J8.2 R12.2 RP3.1 | length 298.3
  Top Layer w30: J8.2@2917.43,4274 2923.17,4268.26 2923.17,4242.57 2940.74,4225 RP3.1@3078,4225 3053,4200 R12.2@3053,4133
NetJ9_2: J9.2 R39.2 RP8.1 | length 270.2
  Top Layer w30: J9.2@2925,2906 2925.07,2906 2971.87,2859.2 3052,2859.2 ; R39.2@3052,2765.37 3052,2859.2 ; RP8.1@3082,2859.2 3052,2859.2
NetJ10_2: J10.2 R65.2 RP12.1 | length 279.2
  Top Layer w30: J10.2@2945.43,1575 2953.54,1575 2999.54,1529 RP12.1@3104,1529 3079,1504 R65.2@3079,1437.74
NetJ12_1: Q7.3 Q8.3
NetJ13_2: J13.2 R138.2 RP15.1
NetJ14_2: J14.2 R154.2
NetJ15_1: Q10.3 Q11.3
NetJ16_2: J16.2 R179.2 RP20.1
NetJ17_2: J17.2 R201.2
NetJ18_1: Q13.3 Q14.3
NetJ19_2: J19.2 R225.2 RP24.1
NetJ20_2: J20.2 R241.2
NetP1_2: P1.2 R1.1 | length 175.9
  Top Layer w30: R1.1@5322.37,4712 5322.87,4711.5 5497.31,4711.5 P1.2@5497.81,4711
NetP2_2: P2.2 R15.1 | length 183.3
  Top Layer w30: P2.2@5504.5,3861.5 P2.2@5505,3861
  Bottom Layer w30: R15.1@5321.87,3861.5 P2.2@5504.5,3861.5
NetP3_2: P3.2 R28.1 | length 184
  Top Layer w30: R28.1@5320.37,3464 5320.87,3463.5 5503.5,3463.5 P3.2@5504,3463
NetP4_2: P4.2 R42.1 | length 185.7
  Top Layer w30: R42.1@5325.74,2598 5326.24,2598.5 5510.5,2598.5 P4.2@5511,2599
NetP5_2: P5.2 R55.1 | length 183.1
  Top Layer w30: R55.1@5324.74,2084 5325.74,2083 5506,2083 P5.2@5507,2082